# KiCad board mono_v1.kicad_pcb
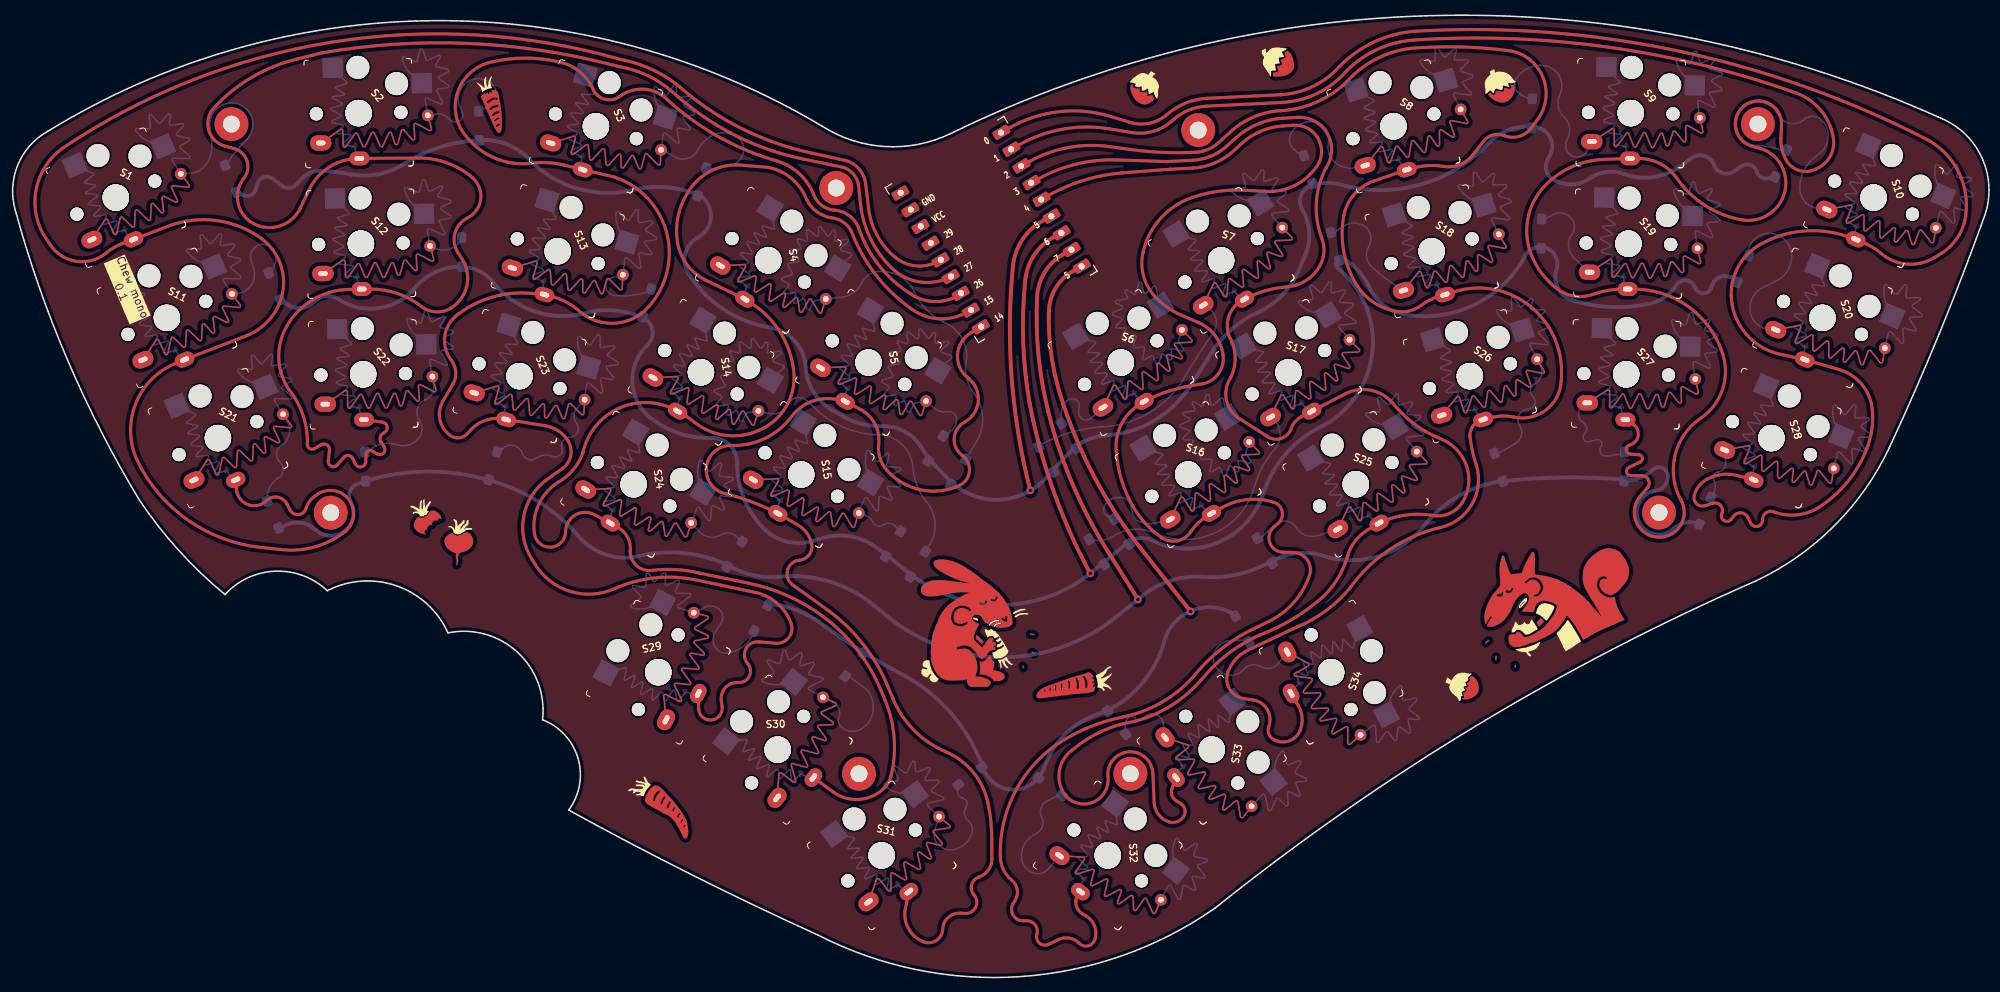
[diagram p0: board, top side]
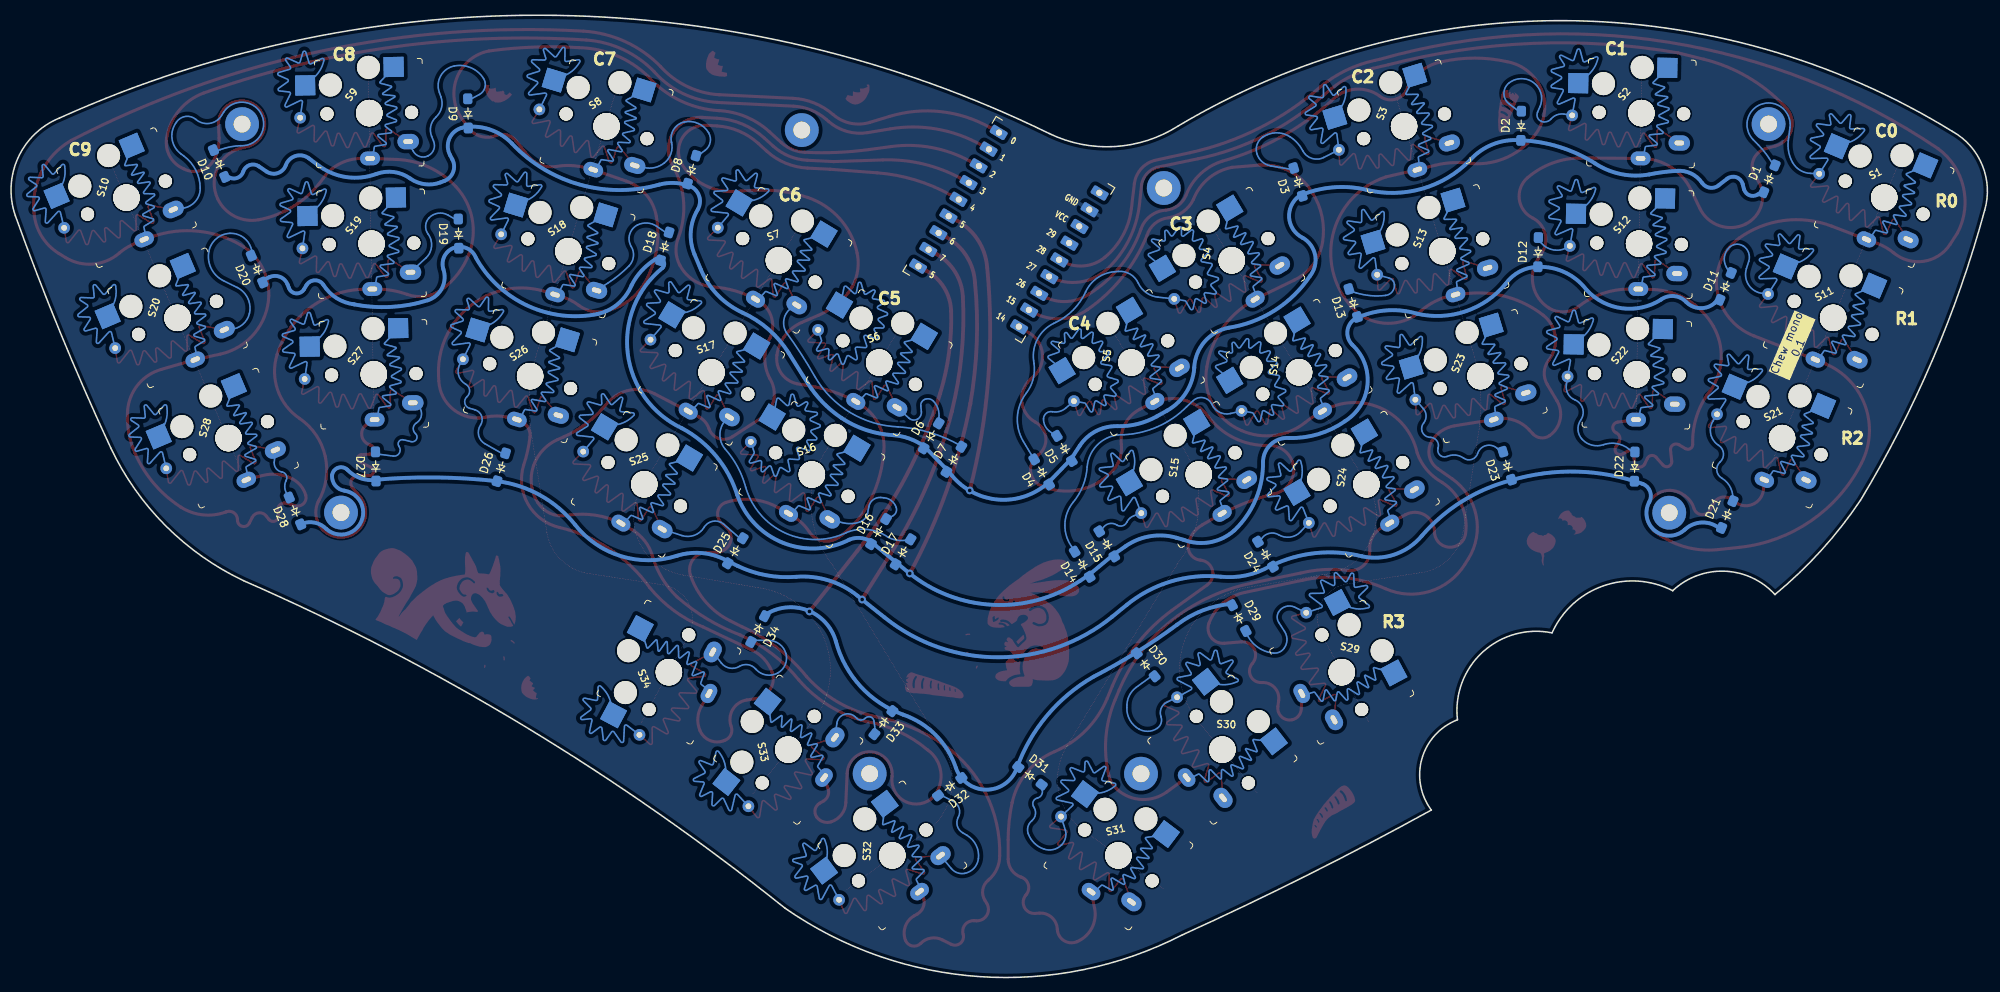
[diagram p1: board, bottom side, seen from below]

Outline 257.1 x 125.24 mm; copper layers: Top, Bottom. Coordinates in mm from the lower left corner of the outline.
Outline path: 0.36,99.83 arc(0.66,105.72) 4.57,110.12 arc(54.8,124.53) 105.24,110.84 arc(113.51,108.15) 122.04,109.84 arc(186.21,125.22) 250.84,111.84 arc(256.21,106.62) 256.54,99.14 arc(250.68,83.9) 244.14,68.94 arc(236.99,58.79) 226.84,51.64 arc(190.23,32.66) 156.44,9.04 arc(131.07,0.11) 104.74,5.54 arc(88.38,13.35) 72.34,21.79 arc(73.56,28.51) 68.94,33.54 arc(65.68,42.34) 56.64,44.85 arc(49.97,50.97) 40.94,50.34 arc(34.18,52.88) 27.64,49.84 arc(21.63,55.57) 16.5,62.11 arc(7.13,80.42) 0.36,99.83

## Placement (name value [footprint] x y rotation side)
D1  Diode  [Diode_SOD-123_chew]  28.37 103.95 113 bottom
D2  Diode  [Diode_SOD-123_chew]  60.66 110.85 91 bottom
D3  Diode  [Diode_SOD-123_chew]  89.68 103.54 73 bottom
D4  Diode  [Diode_SOD-123_chew]  123.03 65.8 59 bottom
D5  Diode  [Diode_SOD-123_chew]  120.08 68.86 59 bottom
D6  Diode  [Diode_SOD-123_chew]  137.4 70.5 121 bottom
D7  Diode  [Diode_SOD-123_chew]  134.45 67.45 121 bottom
D8  Diode  [Diode_SOD-123_chew]  168.55 105.14 107 bottom
D9  Diode  [Diode_SOD-123_chew]  197.66 112.46 89 bottom
D10  Diode  [Diode_SOD-123_chew]  230.03 105.94 67 bottom
D11  Diode  [Diode_SOD-123_chew]  34.07 89.95 113 bottom
D12  Diode  [Diode_SOD-123_chew]  58.45 94.4 91 bottom
D13  Diode  [Diode_SOD-123_chew]  82.51 87.79 73 bottom
D14  Diode  [Diode_SOD-123_chew]  117.76 53.78 59 bottom
D15  Diode  [Diode_SOD-123_chew]  114.56 56.43 59 bottom
D16  Diode  [Diode_SOD-123_chew]  144.25 58.03 121 bottom
D17  Diode  [Diode_SOD-123_chew]  141.06 55.4 121 bottom
D18  Diode  [Diode_SOD-123_chew]  172.06 95.15 107 bottom
D19  Diode  [Diode_SOD-123_chew]  198.89 96.81 89 bottom
D20  Diode  [Diode_SOD-123_chew]  225.1 92.2 67 bottom
D21  Diode  [Diode_SOD-123_chew]  33.84 60.26 113 bottom
D22  Diode  [Diode_SOD-123_chew]  45.89 66.49 91 bottom
D23  Diode  [Diode_SOD-123_chew]  62.47 66.61 73 bottom
D24  Diode  [Diode_SOD-123_chew]  93.92 55.09 59 bottom
D25  Diode  [Diode_SOD-123_chew]  162.89 55.54 121 bottom
D26  Diode  [Diode_SOD-123_chew]  193.33 66.41 107 bottom
D27  Diode  [Diode_SOD-123_chew]  209.66 66.51 89 bottom
D28  Diode  [Diode_SOD-123_chew]  220.17 60.72 67 bottom
D29  Diode  [Diode_SOD-123_chew]  97.36 46.78 242 bottom
D30  Diode  [Diode_SOD-123_chew]  109.5 40.7 232 bottom
D31  Diode  [Diode_SOD-123_chew]  124.55 26.25 217 bottom
D32  Diode  [Diode_SOD-123_chew]  134.99 24.83 323 bottom
D33  Diode  [Diode_SOD-123_chew]  143.62 33.17 308 bottom
D34  Diode  [Diode_SOD-123_chew]  159.95 45.35 298 bottom
G***  -  [LOGO]  188.69 37.76 95 top
G***#2  -  [LOGO]  147.34 115.74 30 top
G***#3  -  [LOGO]  83.49 22.34 345 top
G***#4  -  [LOGO]  200.39 51.66 29 top
G***#5  -  [LOGO]  125.53 47.45 2 top
G***#6  -  [LOGO]  138.7 39.06 80 top
G***#7  -  [LOGO]  53.6 59.36 1 top
G***#8  -  [LOGO]  58.01 56.74 1 top
G***#9  -  [LOGO]  62.26 113.22 220 top
G***#10  -  [LOGO]  164.66 118.96 60 top
G***#11  -  [LOGO]  193.52 115.9 20 top
NOREF  -  [unnamed]  145.41 26.52 0 top
NOREF#2  -  [unnamed]  154.24 110.29 0 top
NOREF#3  -  [unnamed]  28.47 111.07 0 top
NOREF#4  -  [unnamed#2]  127.81 14.49 0 top
NOREF#5  -  [unnamed]  110.11 26.52 0 top
NOREF#6  -  [unnamed]  107.15 102.75 0 top
NOREF#7  -  [unnamed]  227.05 111.07 0 top
NOREF#8  -  [unnamed#2]  127.76 14.51 180 bottom
S1  Keyswitch  [Choc_V1_chew]  13.43 101.5 23 top
S2  Keyswitch  [Choc_V1_chew]  45.01 112.5 1 top
S3  Keyswitch  [Choc_V1_chew#4]  75.88 110.78 343 top
S4  Keyswitch  [Choc_V1_chew_2]  98.3 93.34 329 top
S5  Keyswitch  [Choc_V1_chew_2]  111.35 80.03 329 top
S6  Keyswitch  [Choc_V1_chew_2]  144.17 80.03 31 top
S7  Keyswitch  [Choc_V1_chew]  157.21 93.34 31 top
S8  Keyswitch  [Choc_V1_chew]  179.63 110.78 17 top
S9  Keyswitch  [Choc_V1_chew]  210.5 112.5 359 top
S10  Keyswitch  [Choc_V1_chew#3]  242.09 101.5 337 top
S11  Keyswitch  [Choc_V1_chew]  20.07 85.85 23 top
S12  Keyswitch  [Choc_V1_chew]  45.31 95.5 1 top
S13  Keyswitch  [Choc_V1_chew#4]  70.91 94.52 343 top
S14  Keyswitch  [Choc_V1_chew_2]  89.54 78.76 329 top
S15  Keyswitch  [Choc_V1_chew]  102.59 65.46 329 top
S16  Keyswitch  [Choc_V1_chew_2]  152.92 65.46 31 top
S17  Keyswitch  [Choc_V1_chew]  165.97 78.76 31 top
S18  Keyswitch  [Choc_V1_chew]  184.6 94.52 17 top
S19  Keyswitch  [Choc_V1_chew]  210.2 95.5 359 top
S20  Keyswitch  [Choc_V1_chew#3]  235.45 85.85 337 top
S21  Keyswitch  [Choc_V1_chew]  26.71 70.2 23 top
S22  Keyswitch  [Choc_V1_chew]  45.61 78.5 1 top
S23  Keyswitch  [Choc_V1_chew#4]  65.94 78.26 343 top
S24  Keyswitch  [Choc_V1_chew]  80.79 64.19 329 top
S25  Keyswitch  [Choc_V1_chew]  174.73 64.19 31 top
S26  Keyswitch  [Choc_V1_chew]  189.57 78.26 17 top
S27  Keyswitch  [Choc_V1_chew]  209.91 78.5 359 top
S28  Keyswitch  [Choc_V1_chew#3]  228.8 70.2 337 top
S29  Keyswitch  [Choc_V1_chew]  83.99 39.73 62 top
S30  Keyswitch  [Choc_V1_chew]  99.52 29.65 52 top
S31  Keyswitch  [Choc_V1_chew#2]  113.05 15.89 37 top
S32  Keyswitch  [Choc_V1_chew]  142.46 15.89 323 top
S33  Keyswitch  [Choc_V1_chew]  155.99 29.65 308 top
S34  Keyswitch  [Choc_V1_chew]  171.52 39.73 298 top
U1  RP2040_Zero  [RP2040_Zero_chew_mono]  127.3 97.34 31 top

## Library data of the parts
D1-D34 = -: Description: 1N4148 (DO-35) or 1N4148W (SOD-123); Sim.Device: D; Sim.Pins: 1=K 2=A; ki_fp_filters: D*DO?35*
S1-S34 = -: Description: Push button switch, normally open, two pins, 45° tilted

## Footprints (pads in the part's own frame, mm; a bottom-side part is the same pattern mirrored in y, then rotated)
Choc_V1_chew
  round 1.702 hole 1.702 unplated: (-5.5,0) (-5.5,0) (5.5,0) (5.5,0)
  round 3.429 hole 3.429 unplated: (0,0) (0,0) (0,0)
  round 3 hole 3 unplated: (0,5.95) (5,3.75)
  rect 2.6x2.6 smd far side: 1(-3.275,5.95) 2(8.275,3.75)
  custom 4.325x13.037 smd far side: 1(-3.275,5.95)
  oval 2.6x1.8 hole 1.27x0.635: 1(0,-5.9)
  custom 15.114x4.189 smd: 2(-5,-3.8)
  oval 2.8x2 hole 1.27x0.635: 2(-5,-3.8)
  custom 6.248x8.852 smd far side: 2(8.275,3.75)
  round 1.524 hole 0.762: 2(9,-0.45)
Choc_V1_chew#2
  round 1.702 hole 1.702 unplated: (-5.5,0) (-5.5,0) (5.5,0) (5.5,0)
  round 3.429 hole 3.429 unplated: (0,0) (0,0) (0,0)
  round 3 hole 3 unplated: (0,5.95) (5,3.75)
  rect 2.6x2.6 smd far side: 1(-3.275,5.95) 2(8.275,3.75)
  custom 4.325x13.037 smd far side: 1(-3.275,5.95)
  oval 2.6x1.8 hole 1.27x0.635: 1(0,-5.9)
  custom 15.114x4.189 smd: 2(-5,-3.8)
  oval 2.8x2 hole 1.27x0.635: 2(-5,-3.8)
  custom 6.248x8.852 smd far side: 2(8.275,3.75)
  round 1.524 hole 0.762: 2(9,-0.45)
Choc_V1_chew#3
  round 1.702 hole 1.702 unplated: (-5.5,0) (-5.5,0) (5.5,0) (5.5,0)
  round 3.429 hole 3.429 unplated: (0,0) (0,0) (0,0)
  round 3 hole 3 unplated: (0,5.95) (5,3.75)
  rect 2.6x2.6 smd far side: 1(-3.275,5.95) 2(8.275,3.75)
  custom 4.325x13.037 smd far side: 1(-3.275,5.95)
  oval 2.6x1.8 hole 1.27x0.635: 1(0,-5.9)
  custom 15.114x4.189 smd: 2(-5,-3.8)
  oval 2.8x2 hole 1.27x0.635: 2(-5,-3.8)
  custom 6.248x8.852 smd far side: 2(8.275,3.75)
  round 1.524 hole 0.762: 2(9,-0.45)
Choc_V1_chew#4
  round 1.702 hole 1.702 unplated: (-5.5,0) (-5.5,0) (5.5,0) (5.5,0)
  round 3.429 hole 3.429 unplated: (0,0) (0,0) (0,0)
  round 3 hole 3 unplated: (0,5.95) (5,3.75)
  rect 2.6x2.6 smd far side: 1(-3.275,5.95) 2(8.275,3.75)
  custom 4.325x13.037 smd far side: 1(-3.275,5.95)
  oval 2.6x1.8 hole 1.27x0.635: 1(0,-5.9)
  custom 15.114x4.189 smd: 2(-5,-3.8)
  oval 2.8x2 hole 1.27x0.635: 2(-5,-3.8)
  custom 6.248x8.852 smd far side: 2(8.275,3.75)
  round 1.524 hole 0.762: 2(9,-0.45)
Choc_V1_chew_2
  round 1.702 hole 1.702 unplated: (-5.5,0) (-5.5,0) (5.5,0) (5.5,0)
  round 3.429 hole 3.429 unplated: (0,0) (0,0) (0,0)
  round 3 hole 3 unplated: (0,5.95) (5,3.75)
  rect 2.6x2.6 smd far side: 1(-3.275,5.95) 2(8.275,3.75)
  custom 4.325x13.037 smd far side: 1(-3.275,5.95)
  oval 2.6x1.8 hole 1.27x0.635: 1(0,-5.9)
  custom 15.114x4.189 smd: 2(-5,-3.8)
  oval 2.8x2 hole 1.27x0.635: 2(-5,-3.8)
  custom 7.858x10.989 smd far side: 2(8.275,3.75)
  round 1.524 hole 0.762: 2(9,-0.45)
Diode_SOD-123_chew
  rrect 1.4x1.2 smd: 1(-1.65,0) 2(1.65,0)
RP2040_Zero_chew_mono
  rrect 2.21x1.2 hole 0.813: 1(7.6,10.16) 2(7.6,7.62) 3(7.6,5.08) 4(7.6,2.54) 5(7.6,0) 6(7.6,-2.54) 7(7.6,-5.08) 8(7.6,-7.62) 9(7.62,-10.16) 15(-7.62,-10.16) 16(-7.62,-7.62) 17(-7.62,-5.08) 18(-7.62,-2.54) 19(-7.62,0) 20(-7.62,2.54) 21(-7.62,5.08) 22(-7.62,7.62) 23(-7.62,10.16)
unnamed
  round 4.4 hole 2.2: (0,0)
unnamed#2
  round 4.4 hole 2.2: (-86.42,45.994)

## Nets
GND: U1.22
Col 0: S1.1 S11.1 S21.1 U1.19
Col 1: S2.1 S12.1 S22.1 U1.18
Col 2: S3.1 S13.1 S23.1 S29.1 U1.17
Col 3: S4.1 S14.1 S24.1 S30.1 U1.16
Col 4: S5.1 S15.1 S31.1 U1.15
Col 5: S6.1 S16.1 S32.1 U1.5
Col 6: S7.1 S17.1 S25.1 S33.1 U1.4
Col 7: S8.1 S18.1 S26.1 S34.1 U1.3
Col 8: S9.1 S19.1 S27.1 U1.2
Col 9: S10.1 S20.1 S28.1 U1.1
Row 0: D1.1 D2.1 D3.1 D4.1 D5.1 D6.1 D7.1 D8.1 D9.1 D10.1 U1.6
Row 1: D11.1 D12.1 D13.1 D14.1 D15.1 D16.1 D17.1 D19.1 D20.1 U1.7
Row 2: D21.1 D22.1 D23.1 D24.1 D25.1 D26.1 D27.1 D28.1 U1.8
Row 3: D29.1 D30.1 D31.1 D32.1 D33.1 D34.1 U1.9
Net-(D1-A): D1.2 S1.2
Net-(D2-A): D2.2 S2.2
Net-(D3-A): D3.2 S3.2
Net-(D4-A): D4.2 S4.2
Net-(D5-A): D5.2 S5.2
Net-(D6-A): D6.2 S6.2
Net-(D7-A): D7.2 S7.2
Net-(D8-A): D8.2 S8.2
Net-(D9-A): D9.2 S9.2
Net-(D10-A): D10.2 S10.2
Net-(D11-A): D11.2 S11.2
Net-(D12-A): D12.2 S12.2
Net-(D13-A): D13.2 S13.2
Net-(D14-A): D14.2 S14.2
Net-(D15-A): D15.2 S15.2
Net-(D16-A): D16.2 S16.2
Net-(D17-A): D17.2 S17.2
Net-(D18-A): D18.2 S18.2
Net-(D19-A): D19.2 S19.2
Net-(D20-A): D20.2 S20.2
Net-(D21-A): D21.2 S21.2
Net-(D22-A): D22.2 S22.2
Net-(D23-A): D23.2 S23.2
Net-(D24-A): D24.2 S24.2
Net-(D25-A): D25.2 S25.2
Net-(D26-A): D26.2 S26.2
Net-(D27-A): D27.2 S27.2
Net-(D28-A): D28.2 S28.2
Net-(D29-A): D29.2 S29.2
Net-(D30-A): D30.2 S30.2
Net-(D31-A): D31.2 S31.2
Net-(D32-A): D32.2 S32.2
Net-(D33-A): D33.2 S33.2
Net-(D34-A): D34.2 S34.2

Pads without a net: D18 1; U1 20 21 23

## Via types
v1: diameter 1, hole 0.5, Top to Bottom, 4 vias

## Routing (per net, layer and track width the routed paths; a pad name or vN(x,y) marks a point on that pad's centre or on a via; arc(x,y) is an arc through that point)
Col 0: length 271.7
  Top w0.4: U1.19 120.33,93.18 arc(117.48,92.61) 114.8,93.74 arc(112.47,96.57) 111.36,100.07 110.97,103.34 arc(110.11,105.24) 108.34,106.34 103.75,107.34 arc(94.7,110.56) 86.74,115.94 arc(83.43,118.06) 79.71,119.35 79.09,119.49 arc(41.48,121.72) 6.44,107.89 arc(3.13,102.86) 3.89,96.9 4.85,95.42 arc(8.26,93.21) 12.18,94.3 arc(13.22,95.02) 14.36,95.56 S1.1 20.25,97.79 arc(26.46,98.52) 32.28,96.23 arc(34.98,92.4) 34.7,87.72 arc(32.97,85.17) 30.38,83.51 S11.1 ; 22.37,80.42 22.48,80.43 ; 22.37,80.42 S11.1 ; 22.37,80.42 S11.1 ; S11.1 21.08,79.87 arc(15.91,74.43) 16.37,66.96 arc(22.93,59.44) 32.28,55.98 35.07,55.68 arc(39.47,56.08) 43.38,58.15 ; 29.02,64.68 S21.1 29.14,63.48 arc(30.64,61.53) 33.04,62.06 arc(34.46,62.52) 35.67,61.65 36.09,60.84 arc(37.2,60.24) 38.17,61.05 arc(38.65,62.01) 39.44,62.75 ; 39.44,62.74 arc(43.71,62.25) 43.19,57.99
Col 1: length 247
  Top w0.4: S22.1 48.11,72.28 arc(48.73,71.66) 48.3,70.9 arc(47.84,70.36) 47.94,69.65 48.33,69.07 arc(48.26,68.25) 47.45,68.13 46.74,68.54 arc(46.25,68.54) 45.99,68.13 45.94,67.1 arc(45.37,66.44) 44.59,66.83 44.24,67.56 arc(43.71,67.94) 43.1,67.71 42.21,66.69 arc(41.45,66.53) 41.07,67.2 41.22,68.63 arc(40.89,69.32) 40.13,69.33 39.27,68.82 ; 35.89,76.59 arc(37.78,73.19) 38.34,69.34 arc(38.67,68.82) 39.29,68.84 ; U1.18 arc(118.08,90.51) 114.43,92.27 arc(111.63,96.1) 110.3,100.65 110.03,103.23 arc(109.34,104.61) 108.04,105.44 102.71,106.55 arc(94.17,109.51) 86.67,114.54 85.58,115.46 arc(82.91,117.24) 79.89,118.33 77.94,118.79 arc(59.17,121.57) 40.24,120.34 36.88,119.51 arc(31.2,117.2) 26.39,113.39 arc(25.46,110.44) 27.59,108.21 28.81,107.88 arc(30.51,106.21) 29.97,103.89 arc(29.37,100.62) 31.47,98.05 arc(34.87,97.84) 37.42,100.12 38.56,102.51 arc(41.24,105.51) S2.1 52.8,106.66 arc(56.54,106.01) 59.82,104.09 arc(60.9,101.3) 59.17,98.85 arc(57.54,96.87) 57.93,94.34 58.47,93.51 arc(59.08,90.02) 57.03,87.13 arc(55.08,86.62) 53.18,87.33 arc(50.09,89.01) 46.62,89.6 S12.1 43.62,89.55 arc(39.01,88.19) 35.65,84.75 arc(34.63,80.63) 35.9,76.58
Col 2: length 270.8
  Top w0.4: S3.1 71.81,105.71 arc(69.67,106.04) 67.51,105.97 arc(62.85,106.59) 59.07,109.4 ; S3.1 78.24,104.19 arc(85.17,96.59) 82.19,86.74 arc(78.06,85.13) 73.89,86.59 arc(71.77,88.03) 69.34,88.84 ; S3.1 74.15,105.14 ; U1.17 123.21,88.97 ; S29.1 89.25,34.97 arc(89.6,34.05) 90.44,33.54 arc(91.82,33.92) 92.3,35.26 92.2,36.05 arc(92.69,37.68) 94.24,38.39 94.51,38.39 arc(95.86,39.26) 95.63,40.85 arc(95.39,42.75) 97.05,43.68 99.27,43.5 arc(100.99,44.26) 101.26,46.12 arc(99.45,48.71) 96.62,50.11 89.13,51.69 arc(83.63,52.02) 78.31,50.6 arc(72.56,50.24) 67.99,53.74 67.53,54.47 arc(66.51,60.11) 69.64,64.91 71.52,66.23 arc(72.6,67.89) 72.26,69.84 arc(71,71.14) 69.33,71.8 S23.1 64.16,72.63 arc(61.7,72.57) 59.61,71.27 59.12,70.75 arc(58.08,70.23) 56.96,70.52 arc(55.59,72.59) 55.99,75.04 57.26,77.2 arc(57.65,78.8) 57.06,80.34 arc(56.21,83.42) 57.79,86.2 arc(62.38,88.54) 67.5,89.03 S13.1 ; 123.4,89.02 arc(120.13,87.97) 116.85,88.96 arc(112.76,92.61) 110.11,97.41 arc(108.85,99.14) 106.85,99.87 arc(105.29,100.47) 104.26,101.77 arc(102.41,104.55) 99.54,106.24 arc(91.98,109.34) 85.34,114.09 arc(82.33,115.59) 79.09,114.74 arc(77.17,114.26) 75.59,115.44 arc(73.74,117.91) 70.94,119.19 arc(66.71,119.66) 62.49,119.19 arc(57.93,115.32) 59.04,109.44
Col 3: length 207.5
  Top w0.4: S30.1 106.75,24.14 arc(108.22,23.4) 109.85,23.16 arc(111.66,23.52) 113.22,24.49 arc(113.89,25.32) 114.29,26.31 arc(114.67,31.27) 113.49,36.1 112.96,37.38 arc(109.8,42.75) 105.32,47.07 arc(100.75,49.71) 95.73,51.32 89.35,52.63 arc(86.29,53.09) 83.2,52.98 arc(81.2,53.58) 80.34,55.49 arc(80.01,57.3) 78.69,58.59 ; S4.1 90.15,90.77 arc(87.72,92.79) 86.49,95.71 arc(86.55,99.01) 87.78,102.08 87.93,102.32 arc(90.85,104.97) 94.72,105.73 98.29,105.44 arc(101.34,103.98) 103.3,101.24 arc(104.61,99.66) 106.5,98.88 arc(108.29,98.14) 109.35,96.53 arc(112.5,91.18) 117.04,86.94 arc(120.51,85.73) 124.09,86.55 ; S24.1 75.69,60.24 arc(73.22,60.2) 71.94,58.09 arc(70.08,56) 67.89,57.74 arc(68.42,61.54) 70.94,64.44 arc(72.92,66.06) 74.19,68.29 arc(79.01,74.15) 86.59,73.64 arc(87.7,73) 88.74,72.24 arc(92.74,70.55) 97.04,71.19 arc(100.76,74.54) 101.54,79.49 arc(99.57,84.4) 95.69,87.99
Col 4: length 164.8
  Top w0.4: U1.15 124.62,83.87 arc(122.93,81.13) 124.15,78.15 124.43,77.9 arc(125.61,74.92) 123.82,72.26 arc(122.48,70.19) 123.53,67.95 arc(124.47,65.87) 123.13,64.02 arc(118.13,63.47) 113.76,65.97 arc(112.85,67.57) 112.67,69.4 arc(112.18,72.04) 110.28,73.93 S5.1 ; S15.1 102.15,58.89 arc(103.28,57.89) 103.93,56.53 arc(103.67,55.07) 102.39,54.32 arc(100.81,53.02) 101.49,51.09 106.07,47.79 arc(110.63,43.38) 113.84,37.91 114.51,36.31 arc(117.27,32.17) 121.39,29.37 arc(124.93,26.74) 126.87,22.77 126.87,22.77 arc(127.26,20.37) 127.39,17.95 127.39,15.4 arc(126.95,13.99) 125.78,13.09 125.65,13.05 arc(124.76,12.07) 125.05,10.77 125.09,10.71 arc(125.27,9.12) 123.88,8.34 123.34,8.37 arc(121.72,7.82) 120.99,6.28 arc(120.14,4.8) 118.44,4.66 arc(116.51,6.42) 116.15,9.02 S31.1 ; 99.59,60.34 arc(96.29,61.85) 92.84,62.94 arc(90.26,66.47) 93.64,69.24 arc(97.94,70.19) 101.34,73 arc(104.49,75.15) 108.29,74.89
Col 5: length 241
  Top w0.4: U1.5 134.87,101.85 arc(139.5,103.81) 144.43,104.73 150.55,105.19 arc(150.55,105.19) 150.56,105.19 153.48,105.34 arc(156.33,105.98) 158.79,107.55 159.9,108.56 arc(162.39,110.15) 165.27,110.83 166.56,110.91 arc(169.69,109.42) 169.91,105.96 arc(166.96,103.17) 162.99,102.3 160.38,102.45 arc(156.86,102.32) 153.43,101.51 arc(149.28,98.74) 147.04,94.29 arc(147.14,91.22) 148.67,88.55 arc(150.26,87.19) 152.09,86.18 154.24,85.25 arc(156.42,83.55) 157.47,80.99 arc(156.89,78.62) 154.85,77.27 153.19,76.99 arc(150.12,76.22) S6.1 146.39,74.43 arc(144.16,71.86) 143.56,68.51 143.6,68.08 arc(144.32,64.56) 145.77,61.27 arc(147.39,59.07) 149.44,57.27 arc(151.51,56.83) 153.27,58.01 arc(154.14,59.08) 155.23,59.94 S16.1 157.33,61.16 arc(160.64,62.2) 164.08,61.84 arc(165.16,60.63) 164.63,59.11 164.09,58.65 arc(163.54,56.59) 165.27,55.34 166.61,55.32 arc(168.41,54.36) 168.71,52.35 arc(166.72,48.87) 163.55,46.42 161.99,45.64 arc(157.43,42.91) 153.64,39.19 arc(149.49,35.81) 144.49,33.91 arc(139.89,32.51) 135.66,30.21 ; S32.1 arc(138.32,9.63) 139.23,8.24 139.6,8.03 arc(140.77,6.66) 140.75,4.86 arc(139.87,4.1) 138.76,4.44 arc(137.44,5.13) 135.97,4.91 134.8,4.32 arc(133.6,4.46) 133.24,5.62 arc(133,6.87) 131.84,7.39 131.52,7.38 arc(130.16,8.11) 130.18,9.66 130.42,10.05 arc(130.69,11.43) 129.99,12.65 arc(128.88,14.07) 128.49,15.83 arc(130.3,23.96) 135.74,30.27
Col 6: length 231.7
  Top w0.4: U1.4 133.53,103.99 arc(138.45,105.88) 143.7,106.4 150.07,106.19 arc(150.09,106.19) 150.11,106.19 153.53,106.36 arc(155.9,106.9) 157.95,108.2 159.1,109.25 arc(161.96,111.07) 165.26,111.83 167.17,111.94 ; S7.1 160.27,88.29 arc(162.92,89.37) 165.74,89.87 arc(168.28,90.72) 170.09,92.69 arc(170.59,94.41) 170.32,96.19 arc(169.6,100.85) 170.87,105.38 170.91,105.46 arc(171,109.88) 167.09,111.94 ; S33.1 150.82,24.59 arc(150.82,23.68) 151.41,22.97 151.92,22.67 arc(152.5,21.86) 152.3,20.88 arc(151.46,20.26) 150.42,20.26 arc(149.07,21.21) 148.5,22.76 148.34,26.54 arc(145.2,29.37) 142.49,26.14 arc(140.73,22.88) 137.09,23.54 arc(136.15,26.76) 137.89,29.64 ; 173.64,54.78 arc(174.62,56.76) 176.27,58.24 S25.1 arc(181.04,60.16) 184.48,60.17 184.89,60.11 arc(186.99,60.41) 188.58,61.81 arc(189.41,64.13) 189.14,66.59 arc(187.92,68.63) 185.99,70.01 185.23,70.34 arc(182.49,71.92) 180.15,74.05 179.46,74.83 arc(176.62,76.44) 173.39,75.97 S17.1 167.63,72.98 arc(166.82,72.33) 166.31,71.42 arc(165.05,70.16) 163.28,70.37 159.76,72.64 arc(157.93,75.02) 158.41,77.99 arc(159.04,80.68) 158.31,83.34 arc(158.26,86.16) 160.16,88.24 ; 137.86,29.61 arc(141.61,32.01) 145.86,33.31 arc(150.65,35.34) 154.61,38.71 arc(158.11,42.13) 162.34,44.61 ; 162.21,44.56 arc(166.56,46.68) 170.46,49.54 arc(172.46,52.05) 173.71,55.01
Col 7: length 241.9
  Top w0.4: S34.1 167.27,35.34 arc(167.76,33.76) 167.48,32.13 arc(166.2,30.85) 164.39,30.81 164.24,30.87 arc(163.46,31.6) 163.42,32.68 arc(163.22,34.88) 161.39,36.11 160.15,36.3 arc(158.3,37.56) 158.12,39.8 arc(159.16,41.47) 160.74,42.62 167.06,45.61 arc(170.86,47.74) 174.01,50.74 arc(179.16,55.72) 185.74,58.56 arc(189.85,61.6) 190.41,66.69 arc(189.9,68.52) 189.59,70.39 arc(190.05,71.87) 191.41,72.61 ; 191.03,72.54 S26.1 192.53,72.91 arc(193.91,73.08) 195.29,72.93 arc(199.47,73.86) 201.45,77.64 201.49,78.35 arc(199.91,84.51) 195.18,88.75 arc(191.46,89.71) 187.64,89.28 S18.1 185.63,88.67 arc(184.37,88.18) 183.22,87.46 arc(181.78,86.77) 180.18,86.68 arc(177.03,87.88) 174.71,90.34 arc(173.15,94.59) 173.17,99.11 arc(174.5,101.9) 177.06,103.65 S8.1 182.56,105.43 arc(184.34,105.68) 186.14,105.56 arc(188.23,105.77) 189.92,107.01 191.38,108.87 arc(192.58,109.66) 194.02,109.57 arc(195.97,109.46) 197.57,110.57 198.41,111.71 arc(199.1,117.11) 194.91,120.59 arc(189.07,121.09) 183.21,121.01 arc(178.37,120) 174.24,117.29 arc(170.05,114.12) 164.96,112.81 ; U1.3 132.36,106.25 arc(137.35,108.02) 142.64,108.14 145.43,107.76 arc(149.63,107.38) 153.85,107.4 153.86,107.4 arc(155.49,107.77) 156.9,108.66 158.46,110.09 arc(161.51,112.02) 165.03,112.82
Col 8: length 281.2
  Top w0.4: 165.27,113.89 155.32,113.4 arc(153.04,112.9) 151.05,111.68 150.73,111.4 arc(148.35,110.11) 145.64,109.96 142.74,110.44 arc(136.67,110.42) 130.96,108.38 U1.2 ; S27.1 210.78,72.01 arc(211.48,70.57) 210.45,69.34 210.32,69.3 arc(209.9,68.65) 210.46,68.12 211.56,68.03 arc(212.01,67.63) 211.73,67.09 210.27,66.4 arc(209.96,65.76) 210.51,65.31 211.94,65.31 arc(212.81,64.75) 212.67,63.72 211.64,62.51 arc(214.03,57.3) 216.99,62.21 ; 234.62,105.23 arc(232.47,105.01) 230.76,106.33 arc(230.18,107.74) 230.04,109.25 230.11,110.86 arc(225.46,113.59) 226.11,108.24 227.31,107.9 arc(228.9,107.09) 230.07,105.73 arc(230.68,103.54) 230.21,101.32 arc(228.01,99.07) 224.9,98.61 arc(220.16,100.48) 216.49,104.02 arc(214.36,105.89) 211.6,106.59 S9.1 206.94,106.46 arc(202.72,105.45) 199.21,102.91 arc(197.12,98.76) 197.54,94.13 arc(198.94,91.61) 200.98,89.59 arc(203.19,88.67) 205.56,88.9 arc(207.59,89.43) 209.69,89.6 S19.1 211.19,89.58 arc(215.33,88.76) 218.93,86.57 arc(221.09,84.06) 222.5,81.06 arc(222.41,76.44) 219.59,72.77 arc(217.43,70.61) 216.22,67.8 arc(216.14,64.76) 217.16,61.89 ; 234.61,105.24 arc(236.43,106.85) 236.86,109.24 arc(235.25,112.83) 232.04,115.11 arc(207.49,121.09) 182.25,122.01 arc(177.46,120.76) 173.44,117.89 arc(169.72,115.06) 165.19,113.89
Col 9: length 249.7
  Top w0.4: S28.1 224.42,65.32 arc(222.43,65.47) 220.52,64.9 arc(219.42,64.02) 218.77,62.77 arc(219.05,61.67) 220.16,61.4 221.18,61.72 arc(222.15,61.49) 222.4,60.52 222.32,60.26 arc(222.68,59.44) 223.56,59.63 223.91,60.07 arc(224.87,60.48) 225.73,59.88 226.1,59.14 arc(226.99,58.71) 227.64,59.46 227.65,59.67 arc(228.14,60.5) 229.1,60.61 229.15,60.59 arc(232.15,60.21) 235.01,61.22 arc(238.72,64.53) 241.22,68.84 arc(241.85,71.28) 241.94,73.79 arc(240.6,77.14) 237.6,79.13 S20.1 229.89,81.13 arc(225.42,83.84) 223.57,88.73 arc(224.52,92.58) 227.31,95.39 arc(232.86,97.13) 238.64,96.45 S10.1 241.36,95.35 arc(242.22,94.88) 243.01,94.29 arc(246.43,92.85) 250.04,93.71 250.88,94.23 arc(253.01,96.3) 254.07,99.09 arc(253.2,104.73) 249.31,108.92 arc(216.93,120.53) 182.64,123.16 arc(177.18,121.79) 172.59,118.54 arc(169.12,115.95) 164.94,114.89 ; U1.1 129.75,110.62 arc(136.13,112.68) 142.81,112.07 145.38,111.29 arc(147.91,111.18) 150.17,112.31 arc(152.61,113.81) 155.42,114.43 165.02,114.89
Row 0: length 336.6
  Top w0.5: U1.6 134.12,98.54 arc(131.33,96) 130.12,92.43 ; 132.37,63.34 arc(129.99,77.78) v1(132.39,63.39) arc(129.99,77.78) 130.12,92.41
  Bottom w0.5: D10.1 228.64,104.09 arc(227.59,104.09) 226.89,104.88 arc(226.06,105.74) 224.88,105.58 223.87,104.89 arc(222.41,104.68) 221.36,105.71 arc(220.09,106.92) 218.36,106.62 217.05,105.64 arc(213.45,104.16) 209.58,104.58 arc(207.31,104.83) 205.18,103.99 arc(203.26,103.24) 201.22,103.48 200.75,103.66 arc(199.59,104.83) 199.69,106.47 199.98,107.02 arc(200.1,109.16) 198.49,110.57 197.63,110.81 arc(197.63,110.81) 197.63,110.81 ; D1.1 29.9,101.89 arc(30.97,101.81) 31.67,102.61 31.84,103.27 arc(32.66,104.15) 33.86,103.95 34.98,103.08 arc(36.12,102.78) 37.11,103.41 arc(38.55,104.65) 40.42,104.98 ; 89.21,101.95 arc(89.19,101.96) 89.18,101.97 ; 167.76,99.96 arc(167.67,101.92) 169.21,103.14 arc(171,103.41) 172.79,103.19 arc(183.11,103.19) 191.94,108.54 arc(194.67,110.32) 197.91,110.69 ; 103.19,79.29 arc(101.87,82.71) 98.71,84.56 arc(92.7,86.82) 88.11,91.31 arc(87.45,94.01) 89.06,96.26 arc(90.84,98.88) 89.49,101.74 arc(85.19,102.83) 80.76,102.51 arc(73.53,102.65) 67.31,106.36 arc(64.35,108.43) 60.79,108.96 arc(55.7,108.1) 51.01,105.94 arc(47.65,104.56) 44.01,104.51 arc(42.11,104.83) 40.19,104.99 ; 167.76,99.95 arc(168.67,97.08) 168.19,94.1 167.36,92.13 arc(165.17,88.81) 161.92,86.52 arc(158.55,84.34) 155.94,81.29 153.45,77.32 arc(151.49,74.84) 149.06,72.81 arc(145.89,71.26) 142.44,70.59 arc(140.26,70.14) 138.28,69.11 arc(138.25,69.08) 138.22,69.05 135.31,66.05 arc(135.3,66.03) 135.28,66.02 134.69,65.31 arc(128.83,62.21) 122.48,64.14 122.2,64.36 arc(122.18,64.38) 122.16,64.4 119.26,67.41 arc(119.23,67.44) 119.2,67.48 118.08,69.19 arc(115.97,71.11) 113.18,71.75 arc(110.55,72.04) 108.08,73.01 106.72,73.77 arc(104.24,76.13) 103.17,79.38
Row 1: length 342
  Top w0.5: U1.7 135.48,96.39 arc(132.81,93.89) 131.7,90.41 ; 140.14,52.64 arc(135.38,63.39) v1(140.19,52.59) arc(135.38,63.39) 132.3,74.73 ; 132.32,74.63 arc(131.47,82.53) 131.71,90.47
  Bottom w0.5: D20.1 223.54,91.13 arc(222.12,91.19) 221.12,90.18 220.95,89.73 arc(220.03,89.03) 219,89.55 218.66,90.11 arc(217.57,90.74) 216.46,90.13 arc(214.74,88.41) 212.45,87.61 ; 104.49,56.94 105.48,57.23 arc(108.93,57.43) 112.12,56.12 113.69,55.02 arc(113.71,55.01) 113.72,55 116.89,52.39 arc(116.91,52.37) 116.93,52.35 118.07,51.6 arc(129.41,48.5) 140.37,52.73 141.91,53.98 arc(141.91,53.98) D17.1 143.52,55.31 145.08,56.61 arc(145.1,56.62) 145.11,56.63 ; D11.1 35.5,87.76 arc(37.39,87.11) 39.21,87.94 arc(40.8,88.69) 42.48,88.21 ; 144.81,56.41 arc(146.34,57.16) 148.04,56.99 arc(156.67,56.57) 162.64,62.81 arc(165.38,67.86) 169.84,71.49 arc(176.88,81.21) 172.36,92.34 arc(172.31,93.36) 173.34,93.44 arc(175.09,91.96) 176.39,90.06 arc(178.16,87.66) 180.84,86.34 arc(189.93,87.45) 196.64,93.69 arc(199.47,94.97) 200.86,92.19 arc(201.03,89.74) 202.89,88.14 arc(207.73,87.27) 212.64,87.64 ; 172.59,93.58 arc(172.54,93.57) 172.49,93.55 ; 104.56,56.96 arc(101.09,56.65) 97.96,58.19 arc(95.16,62.26) 94.24,67.11 arc(93.2,69.39) 90.84,70.21 arc(87.04,70.72) 83.59,72.39 arc(80.65,77.12) 82.61,82.34 arc(83.19,84.47) 81.61,86.01 arc(77.93,86.83) 74.19,86.39 arc(67.87,86.7) 62.66,90.29 arc(60.79,91.9) 58.39,92.49 arc(54.92,91.75) 52.16,89.51 arc(47.53,87.1) 42.44,88.24 ; 172.66,93.43 arc(172.66,93.46) 172.7,93.46
Row 2: length 269.3
  Top w0.5: U1.8 136.75,94.17 arc(134.3,91.84) 133.28,88.61 arc(133.45,81.09) 134.72,73.68 134.72,73.68 arc(137.87,64.25) 142.48,55.44 146.49,49.09
  Bottom w0.5: D25.1 162.6,53.57 arc(158.88,52.35) 154.97,52.15 arc(150.74,51.68) 146.98,49.68 v1(146.39,49.19) 143.48,46.87 arc(128.64,41.67) 113.84,46.96 111.94,48.5 arc(106.19,51.55) 99.71,52.16 arc(96.48,52.32) 93.45,53.46 D24.1 ; 34.48,58.74 D21.1 ; 43.99,61.89 arc(43.88,63.26) 44.84,64.24 arc(53.35,65.83) 61.94,64.71 arc(68.32,61.98) 73.59,57.46 arc(77.11,55.06) 81.36,54.81 arc(87.37,55.24) 93.16,53.59 ; 163.54,53.99 arc(166.9,55.2) 170.46,54.89 arc(177.73,54.83) 183.74,58.94 arc(188.24,62.75) 193.84,64.59 arc(201.85,65.08) 209.86,64.76 ; 219.38,59.01 arc(217.62,59.2) 216.07,58.36 arc(211.56,59.3) 213.73,63.36 arc(214.93,64.03) 215.34,65.35 arc(214.57,66.34) 213.35,66.08 arc(211.66,64.98) 209.66,64.76 ; 43.96,61.95 arc(43.25,58.15) 39.39,58.27 arc(37.07,59.22) 34.72,58.34
Row 3: length 134.1
  Top w0.5: U1.9 138.02,91.98 arc(135.71,89.77) 134.81,86.72 arc(135.08,81.3) 136.24,76 arc(140.67,65.25) 147.01,55.52 v1(153.24,47.64) 153.24,47.69
  Bottom w0.5: D29.1 98.29,48.52 ; 98.19,48.64 arc(102,47.8) 105.41,45.91 arc(110.71,42.31) 116.29,39.14 arc(122.36,34.06) 126.29,27.19 arc(130.27,24.44) 134.19,27.29 arc(136.82,31.55) 141.06,34.21 arc(146.62,37.92) 149.81,43.79 arc(153.55,47.81) 159.01,47.19
Net-(D1-A): length 24.6
  Bottom w0.2: S1.2 23.04,104.65 arc(24.38,105.07) 25.35,106.08 arc(25.85,107.44) 25.9,108.9 25.69,110.61 arc(29.34,113.68) 30.48,109.05 29.78,108.34 arc(28.64,106.99) D1.2
Net-(D2-A): length 18.6
  Bottom w0.2: S2.2 55.07,112.36 arc(56,112.27) 56.76,111.74 arc(57.34,111.38) 58.02,111.42 arc(58.53,111.91) 58.52,112.62 58.2,113.33 arc(58.01,114.77) 58.63,116.09 arc(60.38,116.97) 62.26,116.4 arc(62.9,115.03) 62.21,113.69 D2.2
Net-(D3-A): length 19.7
  Bottom w0.2: D3.2 93.21,105.63 arc(94.34,106.16) 95.02,107.19 arc(95.01,108.4) 94.28,109.37 arc(92.5,109.93) 90.71,109.41 arc(89.77,108.61) 89.06,107.59 arc(87.88,106.6) 86.33,106.72 S3.2
Net-(D4-A): length 39.9
  Bottom w0.2: S4.2 107.9,88.54 arc(109.43,89.13) 110.48,90.39 arc(111.52,91.55) 113.04,91.89 113.56,91.85 arc(115.8,91.04) 117.32,89.21 arc(118.91,86.9) 121.19,85.26 121.46,85.13 arc(123.57,83.11) 124.07,80.23 124.02,79.93 arc(124.14,77.87) 125.04,76.03 arc(126.19,72.95) 125.4,69.75 D4.2
Net-(D5-A): length 8.2
  Bottom w0.2: D5.2 122.02,71.1 arc(122.6,71.81) 122.79,72.71 arc(122.43,73.44) 121.64,73.63 arc(120.72,73.66) 119.91,74.09 S5.2
Net-(D6-A): length 10.8
  Bottom w0.2: S6.2 140.3,72.8 arc(139.74,72.55) 139.15,72.68 arc(138.78,73.09) 138.68,73.63 138.75,74.39 arc(138.64,74.88) 138.27,75.23 arc(137.66,75.3) 137.12,75.02 arc(136.5,74) 136.41,72.83 D6.2
Net-(D7-A): length 32.7
  Bottom w0.2: 155.11,87.39 arc(156.48,85.93) 156.24,83.94 arc(154.3,81.13) 152.54,78.21 arc(147.96,73.55) 141.71,71.66 arc(137.52,70.91) 133.61,69.24
Net-(D8-A): length 18.3
  Bottom w0.2: S8.2 174.73,105.41 arc(173.35,105.41) 172.1,106.02 arc(171.26,107.22) 171.18,108.69 171.18,108.72 arc(170.9,110.38) 169.51,111.34 arc(167.7,111.15) 166.35,109.93 arc(166.15,108.7) 166.82,107.64 D8.2
Net-(D9-A): length 25.8
  Bottom w0.2: D9.2 196.18,114.91 arc(195.45,115.84) 195.64,117.01 arc(197.29,118.4) 199.43,118.63 arc(201.2,117.36) 201.38,115.18 201.17,114.61 arc(201.1,113.2) 201.82,111.98 arc(202.5,110.82) 202.39,109.48 202.13,108.83 arc(202.12,107.73) 202.87,106.92 arc(203.96,106.85) 204.79,107.56 S9.2
Net-(D10-A): length 37.7
  Bottom w0.2: D10.2 229.85,107.75 arc(228.55,108.11) 227.21,108.26 arc(224.54,112.36) 229.43,112.65 229.71,112.19 arc(231.26,111.16) 233.05,111.67 arc(234.39,112.07) 235.58,111.33 235.69,111.16 arc(236.14,109.05) 235.01,107.2 234.62,106.91 arc(233.06,105.07) 232.49,102.72 arc(233.12,101) 234.73,100.13 S10.2
Net-(D11-A): length 14.3
  Bottom w0.2: D11.2 33.97,92.48 arc(34.2,93.83) 33.55,95.05 arc(32.67,95.43) 31.73,95.19 arc(31.06,94.32) 31.04,93.23 31.35,92.24 arc(31.07,90.14) 29.26,89.03 S11.2
Net-(D12-A): length 4.7
  Bottom w0.2: D12.2 58.02,95.58 arc(56.45,94.69) 54.68,95 S12.2
Net-(D13-A): length 9.6
  Bottom w0.2: D13.2 82.11,89.1 arc(80.22,88.74) 78.29,88.77 arc(77.44,89.23) 77.14,90.15 arc(77.36,90.72) 77.88,91.05 S13.2
Net-(D14-A): length 36.1
  Bottom w0.2: S14.2 98.45,73.4 arc(99.88,73.56) 100.89,74.59 arc(101.97,75.45) 103.31,75.08 104.19,74.26 arc(107.92,71.69) 112.34,70.64 arc(115.58,69.51) 117.11,66.44 arc(117.66,63.99) 118.94,61.84 arc(120.01,58.87) 118.99,55.89
Net-(D15-A): length 6.6
  Bottom w0.2: D15.2 115.13,58.39 arc(114.29,59.06) 113.23,58.89 arc(112.52,58.77) 111.96,59.24 arc(111.56,59.77) 110.99,60.11 S15.2
Net-(D16-A): length 13.6
  Bottom w0.2: D16.2 142.33,60.12 arc(141.96,60.59) 141.96,61.19 arc(142.58,62.05) 143.57,62.44 143.96,62.47 arc(144.96,62.18) 145.51,61.3 145.67,60.43 arc(146.01,59.74) 146.64,59.3 arc(147.79,59.07) 148.95,59.2 S16.2
Net-(D17-A): length 35.8
  Bottom w0.2: 139.81,57.16 arc(141.44,56.87) 143.04,57.31 arc(145.7,58.31) 148.51,57.86 arc(156.39,57.85) 161.54,63.81 arc(162.58,66.46) 164.21,68.79 arc(164.87,70.98) 163.69,72.94
Net-(D18-A): length 15.8
  Bottom w0.2: S18.2 179.46,90.37 arc(178.02,91.42) 176.71,92.61 arc(176.13,93.82) 176.42,95.13 arc(176.63,96.71) 175.6,97.94 arc(174.33,98.19) 173.11,97.77 D18.2
Net-(D19-A): length 12.7
  Bottom w0.2: D19.2 200.27,99.23 arc(201.54,99.47) 202.7,98.89 arc(203.17,97.85) 202.85,96.76 arc(202.39,95.14) 203.14,93.63 S19.2
Net-(D20-A): length 23.6
  Bottom w0.2: S20.2 228.5,84.36 arc(226.96,84.99) 226.09,86.4 arc(226.3,88.39) 227.7,89.81 229.47,90.68 arc(231.06,92.26) 231.37,94.48 arc(230.42,96.14) 228.64,96.85 arc(226.6,96.08) 225.74,94.07 D20.2
Net-(D21-A): length 13.3
  Bottom w0.2: D21.2 33.18,61.83 arc(33.36,63.64) 34.57,65 arc(35.2,65.99) 34.78,67.09 arc(34.33,68.22) 34.97,69.26 arc(35.98,70.67) 35.72,72.39 S21.2
Net-(D22-A): length 16.9
  Bottom w0.2: D22.2 46.6,68.75 arc(48.19,69.48) 49.93,69.35 arc(51.43,69.28) 52.72,70.03 arc(53.26,71.27) 52.9,72.57 arc(52.65,74.06) 53.67,75.17 arc(54.55,75.94) 54.78,77.09 S22.2
Net-(D23-A): length 18.9
  Bottom w0.2: S23.2 73.38,74.04 arc(73.02,73.1) 73.34,72.15 arc(73.5,70.98) 72.53,70.3 72.41,70.29 arc(71.61,69.85) 71.44,68.95 71.47,68.84 arc(71.2,67.95) 70.27,67.82 arc(69.17,67.99) 68.13,67.59 arc(67.07,67.42) 66.32,68.19 arc(65.27,69.21) 63.83,68.91 D23.2
Net-(D24-A): length 7.9
  Bottom w0.2: D24.2 94.5,56.99 arc(93.48,57.79) 92.19,57.61 arc(90.69,57.32) 89.33,58.03 S24.2
Net-(D25-A): length 12.1
  Bottom w0.2: S25.2 169.84,57.52 arc(168.2,57.55) 166.94,58.59 arc(165.75,59.38) 164.38,58.99 D25.2
Net-(D26-A): length 16.6
  Bottom w0.2: S26.2 198.66,79.89 arc(198.88,78.4) 197.96,77.22 arc(197.45,76.45) 197.79,75.59 arc(198.07,74.73) 197.45,74.08 196.77,73.89 arc(195.89,73.08) 196.03,71.88 arc(196.27,70.55) 195.46,69.47 D26.2
Net-(D27-A): length 13.2
  Bottom w0.2: S27.2 204.51,74.64 arc(203.7,73.45) 204.37,72.17 arc(204.78,71.51) 204.49,70.79 arc(204.36,70.05) 205.04,69.74 206.07,69.98 arc(206.65,69.75) 206.63,69.12 arc(206.59,68.24) 207.38,67.86 D27.2
Net-(D28-A): length 7.5
  Bottom w0.2: D28.2 221.28,63.07 arc(221.5,63.84) 221.34,64.63 221.3,64.71 arc(221.31,65.4) 221.87,65.79 arc(222.62,66.23) 222.86,67.06 S28.2
Net-(D29-A): length 15.9
  Bottom w0.2: D29.2 96.51,45.11 arc(95.12,43.14) 92.89,42.22 arc(92.1,42.35) 91.49,42.85 arc(91.12,43.94) 91.43,45.04 92.18,46.2 arc(92.39,46.89) 92.2,47.58 arc(91.27,48.29) 90.11,48.19 S29.2
Net-(D30-A): length 17.1
  Bottom w0.2: D30.2 110.72,37.76 arc(111.59,36.76) 111.94,35.47 111.95,35.12 arc(111.54,33.48) 110.33,32.31 arc(109.16,32.04) 108.01,32.42 arc(107.5,33.1) 107.51,33.95 arc(107.49,35.02) 106.76,35.81 S30.2
Net-(D31-A): length 17
  Bottom w0.2: S31.2 119.97,19.24 arc(119.93,18.18) 120.45,17.25 arc(121.51,16.65) 122.72,16.71 arc(123.98,17.48) 124.78,18.72 arc(124.81,19.63) 124.32,20.39 arc(123.85,21.17) 123.99,22.08 124.09,22.27 arc(124.11,22.93) 123.6,23.35 arc(123.04,23.75) 122.97,24.44 D31.2
Net-(D32-A): length 17.9
  Bottom w0.2: D32.2 134.53,22.93 arc(133.77,22.02) 133.88,20.84 arc(134,19.73) 133.33,18.85 132.75,18.5 arc(131.55,17.2) 131.26,15.46 arc(131.84,14.21) 133.04,13.55 arc(133.99,13.62) 134.77,14.17 S32.2
Net-(D33-A): length 9.5
  Bottom w0.2: D33.2 144.85,33.38 arc(145.3,33.91) 145.98,33.74 arc(146.52,33.51) 147.07,33.72 147.28,33.92 arc(148.73,34.23) 149.67,33.09 S33.2
Net-(D34-A): length 18.1
  Bottom w0.2: S34.2 164.7,40.92 arc(163.6,40.26) 162.34,40.49 arc(161.26,40.71) 160.27,40.19 160.17,40.08 arc(158.84,39.37) 157.35,39.64 arc(156.39,40.72) 156.3,42.16 arc(157.12,43.38) 158.5,43.86 D34.2

## Copper pours and planes (outline as drawn; the poured copper is in the pictures)
GND on Top, Bottom: -4.86,131.34 260.14,131.34 260.14,-8.66 -4.86,-8.66

## Text on the board
B.Silkscreen: Chew mono / 0.1 | R0 | R1 | C0 | R2 | C1 | R3 | C2 | C3 | C4 | C5 | C6 | C7 | C8 | C9
F.Silkscreen: Chew mono / 0.1
